# Altium PCB Copy of MFC-Card-Template.PcbDoc (part 2 of 2) (continued)
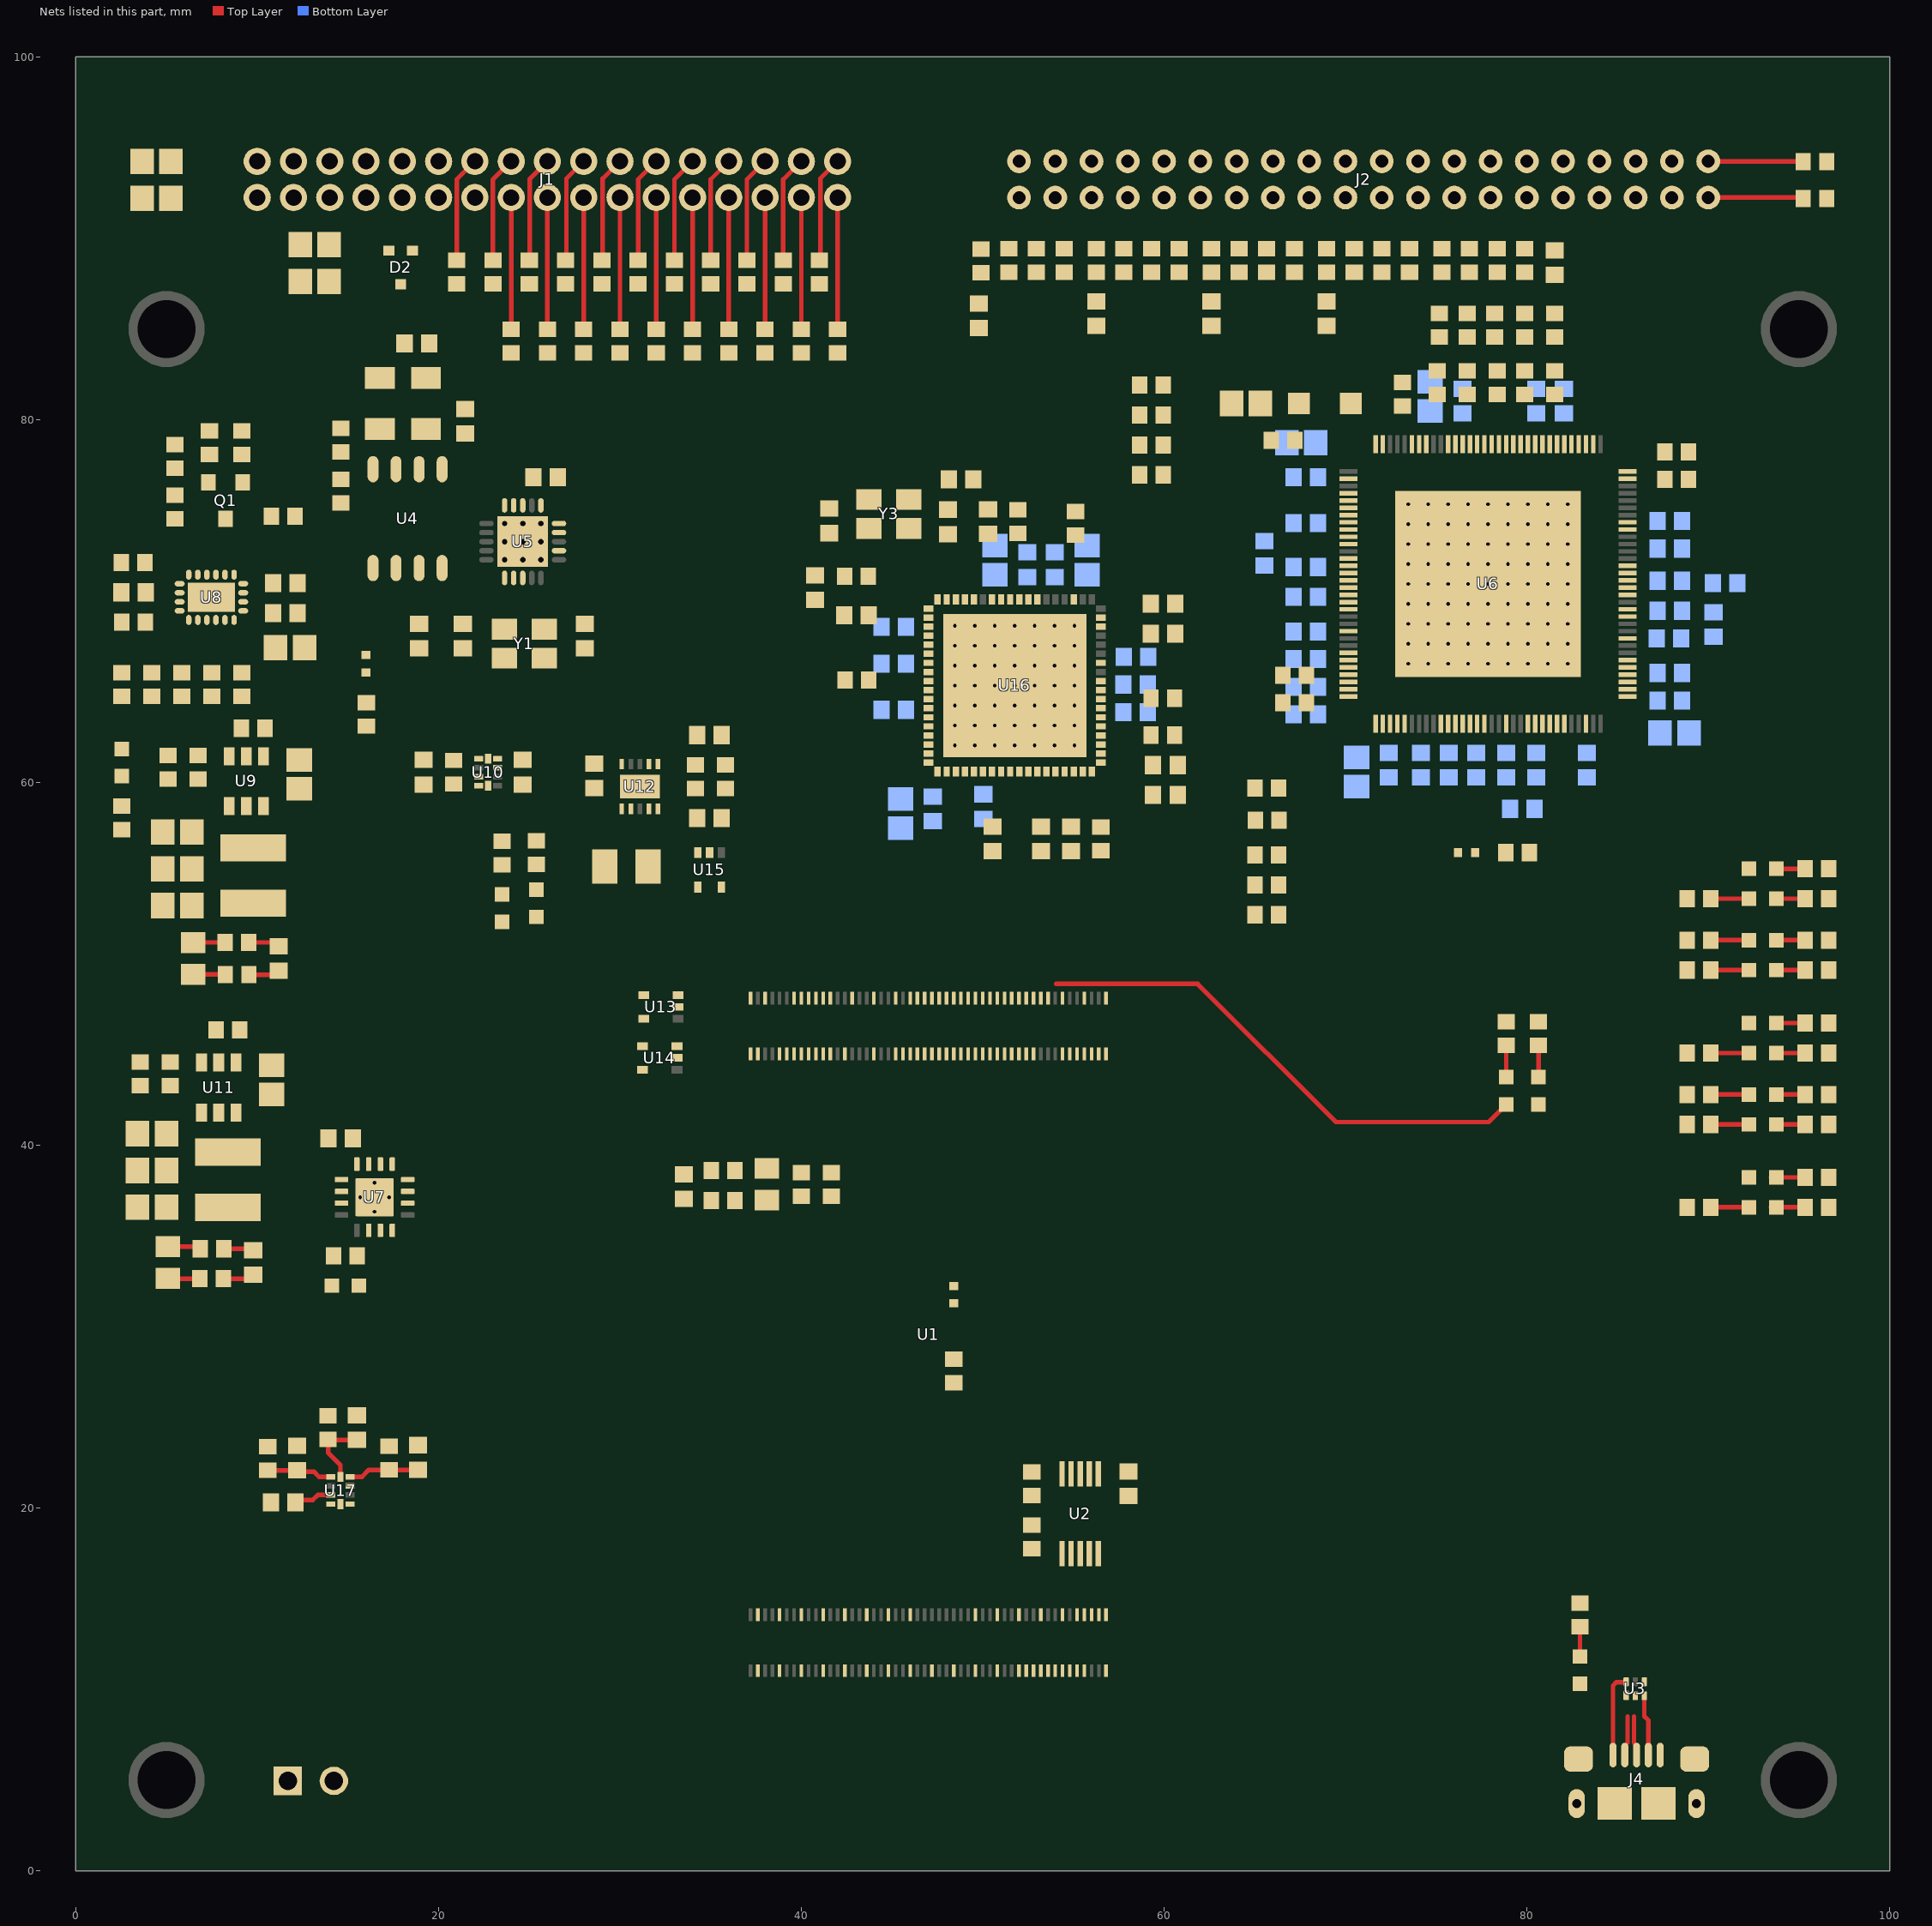
[diagram p4: the nets of this part, all layers, seen from the top]
## Part data (continued)
R136 R137 R138: library part RMCF0603FT10K0, "RES 10K OHM 1% 1/10W 0603", Device Package="0603 (1608 Metric)", Manufacturer="Stackpole Electronics Inc", Operating Temperature="-55°C ~ 155°C", Power (Watts)="0.1W, 1/10W", Ratings=AEC-Q200, Supplier Device Package=0603, Supplier Part Number 1=RMCF0603FT10K0CT-ND, Temperature Coefficient=±100ppm/°C, Tolerance=±1%, ComponentLink1Description=Datasheet, ComponentLink1URL=https://www.seielect.com/catalog/sei-rmcf_rmcp.pdf, ComponentLink2Description="DigiKey Link", ComponentLink2URL=http://digikey.com/product-detail/en/stackpole-electronics-inc/RMCF0603FT10K0/RMCF0603FT10K0CT-ND/1943057, Composition="Thick Film", Features="Automotive AEC-Q200", Height - Seated (Max)="0.022\" (0.55mm)", LastUpdated="9/2/2020 1:09:31 AM", Lifecycle Status=Active, Minimum Order=1, Number of Terminations=2, Package / Case="0603 (1608 Metric)", Packaging=CutTape, PartId=25663, Part Number=RMCF0603FT10K0, Part Status=Active, Price=0.10, Resistance="10 kOhms", Series=RMCF, Size / Dimension="0.061\" L x 0.031\" W (1.55mm x 0.80mm)", Supplier 1=DigiKey
R139 R140 R141: library part TMP6131DECR, "SENSOR PTC 10KOHM 1% X1SON", Device Package="0402 (1006 Metric)", Manufacturer="Texas Instruments", Operating Temperature="-40°C ~ 125°C (TA)", Resistance Tolerance=±1%, Supplier Device Package="2-X1SON (1x.60)", Supplier Part Number 1=296-TMP6131DECRCT-ND, ComponentLink1Description=Datasheet, ComponentLink1URL=http://www.ti.com/general/docs/suppproductinfo.tsp?distId=10&gotoUrl=http%3A%2F%2Fwww.ti.com%2Flit%2Fgpn%2Ftmp61, ComponentLink2Description="DigiKey Link", ComponentLink2URL=http://digikey.com/product-detail/en/texas-instruments/TMP6131DECR/296-TMP6131DECRCT-ND/10435285, LastUpdated="9/2/2020 1:30:57 AM", Lifecycle Status=Active, Minimum Order=1, Mounting Type="Surface Mount", Package / Case="0402 (1006 Metric)", Packaging=TapeAndReel, Part Number=TMP6131DECR, Part Status=Active, Price=0.07, Resistance @ 25°C="10 kOhms", Series=Commercial, Supplier 1=DigiKey
U2: library part CMP-07103-000004-1, "IC USB SWITCH DPDT 10MSOP", Case/Package=MSOP, Current=100mA, Max Operating Temperature=85°C, Max Supply Voltage=4.3V, Min Operating Temperature=-40°C, Min Supply Voltage=3V, On-State Resistance=6.5R, Package Quantity=1, Data Rate=480Mbps, Height=0.85mm, Lead Free="Lead Free", Length=3mm, Mount="Surface Mount", Number of Channels=2, Number of Inputs=2, Number of Outputs=4, Number of Pins=10, Operating Supply Voltage=4.3V, Packaging="Tape and Reel", Radiation Hardening=No, REACH SVHC="No SVHC", Supply Type=Single, Throw Configuration=DPDT, Voltage=4.3V, Weight=0.1125g, Width=3mm
U3: library part CMP-0326-00038-3, "USB ESD Solution with Power Clamp, 4 Channels, -40 to +85 degC, 6-pin SON (DRY), Green (RoHS & no Sb/Br)", Breakdown Voltage(Min)(V)=6, IO Capacitance(Typ)(pF)=0.8, IO Leakage Current(nA)=10, Manufacturer="Texas Instruments", ComponentLink1Description="Manufacturer URL", ComponentLink1URL=http://www.ti.com/, ComponentLink2Description=Datasheet, ComponentLink2URL=http://www.ti.com/general/docs/lit/getliterature.tsp?genericPartNumber=TPD4S012&fileType=pdf, ComponentLink3Description="URL Link1", ComponentLink3URL=SamplesURL:http://www.ti.com/product/tpd4s012#samples, DatasheetVersion=SLVS928A, Eco-Plan="Green (RoHS & no Sb/Br)", IEC 61000-4-2 Air-Gap(+/- kV)=10, IEC 61000-4-2 Contact(+/- kV)=10, Mounting Technology="Surface Mount", PackageDescription="6-Pin Plastic Small Outline No-Lead, 1 x 1.45 x 0.6 mm Body, 0.5 mm Pitch", PackageReference=DRY0006A, PackageVersion="revF, Dec-2011", PartNumber=TPD4S012DRYR, SubFamily="ESD Solution", USB High Speed=TRUE
U4: Supplier Part Number 1=296-44228-1-ND, Supplier 1=Digi-Key
U5: library part CMP-0186-00186-2, "IC CAN CTLR W/SPI 2.0B 20-QFN", Case/Package=QFN, Max Operating Temperature=85°C, Max Supply Current=10mA, Max Supply Voltage=5.5V, Min Operating Temperature=-40°C, Min Supply Voltage=2.7V, Package Quantity=3300, Contact Plating=Tin, Data Rate=1000Kbps, Interface=SPI, Lead Free="Lead Free", Mount="Surface Mount", Nominal Supply Current=10mA, Number of Pins=20, Number of Transceivers=1, Packaging="Tape and Reel", Radiation Hardening=No
U6: Supplier Part Number 1=KSZ9896CTXI-ND, Supplier 1=Digi-Key
U7: library part CMP-0704-00002-2, "Triple Channel Shunt and Bus Voltage Monitor, 120 dB, 2.7 to 5.5 V, -40 to 125 degC, 16-Pin VQFN (RGV), Green (RoHS & no Sb/Br), Tape and Reel", Manufacturer="Texas Instruments", Offset Voltage (max)="+/- 80 uV", Operating Supply Range="2.7 to 5.5 V", Quiescent Current (Typ)="350 uA", Rating=Catalog, Temperature Range="-40 to 125 degC", Voltage Input Range (Bus)="0 to 26 V", CMR (Typ)="120 dB", ComponentLink1Description="Manufacturer URL", ComponentLink1URL=http://www.ti.com/, ComponentLink2Description=Datasheet, ComponentLink2URL=http://www.ti.com/lit/ds/symlink/ina3221.pdf, ComponentLink3Description="Package Specification", ComponentLink3URL=http://www.ti.com/lit/ds/symlink/ina3221.pdf, DatasheetVersion=SBOS576A, Gain="1 V/V", Gain Error (max)=0.25%, Mounting Technology="Surface Mount", PackageDescription="16-Pin Quad Flat No-lead Package, Body 4 x 4 mm, Pitch 0.65 mm", PackageReference=RGV0016A, PackageVersion=SBOS576A, Packing="Tape and Reel", PartNumber=INA3221AIRGVT, RoHS=TRUE
U8: Supplier Part Number 1=296-40735-1-ND, Supplier 1=Digi-Key
U9 U11: Supplier Part Number 1=296-47088-1-ND, Supplier 1=Digi-Key
U10: Supplier Part Number 1=296-51660-1-ND, Supplier 1=Digi-Key
U12: library part CMP-10083-000009-1, "IC RTC CLK/CALENDAR I2C 10-SON", Ambient Temperature Range High=+85°C, Ambient Temperature Range Low=-40°C, Frequency=0.001/1.024/2.048/4.096/8.192/16.384/32.768kHz, Manufacturer="NXP Semiconductors", Max Supply Voltage=5.5V, Min Supply Voltage=0.9V, Nominal Supply Current=18uA, Package=SOT1197-1, Temperature="-40°C to +85°C", Automotive=No, Category=IC, ComponentLink2Description=Datasheet, ComponentLink2URL=https://www.nxp.com/docs/en/data-sheet/PCF85063A.pdf, Device Class L1="Integrated Circuits (ICs)", Device Class L2="Clock and Timing", Device Class L3="Real Time Clocks", Digikey Description="IC RTC CLK/CALENDAR I2C 10-SON", Footprint Url=https://www.nxp.com/docs/en/package-information/SOT1197-1.pdf, Height=0.5mm, Interface=I2C, Ipc Land Pattern Name=DFN260X260X50-10, Lead Free=Yes, Manufacturer Part Number=PCF85063ATL/1,118, Mouser Description="Tiny Real-Time Clock/calendar With Alarm Function And I2C-Bus Rohs Compliant: Yes", Number of Outputs=1, Octopart=https://octopart.com/pcf85063atl%2F1%2C118-nxp+semiconductors-27552710, RoHS=TRUE, Standoff Height=0mm, Temperature Range High=+85°C, Temperature Range Low=-40°C
U13 U14 U15: library part CMP-12739-000001-1, "IC BUF NON-INVERT 5.5V SOT353", Ambient Temperature Range High=+125°C, Ambient Temperature Range Low=-40°C, Manufacturer="Diodes Inc.", Max Junction Temp=+150°C, Max Supply Voltage=5.5V, Min Supply Voltage=1.65V, Nominal Supply Current=0.1uA, Package=SOT353, Temperature="-40°C to +125°C", Automotive=No, Category=IC, ComponentLink2Description=Datasheet, ComponentLink2URL=https://www.diodes.com/assets/Datasheets/74LVC1G07.pdf, Device Class L1="Integrated Circuits (ICs)", Device Class L2="Logic ICs", Device Class L3=Buffers, Digikey Description="IC BUF NON-INVERT 5.5V SOT353", Footprint Url=https://www.diodes.com/assets/Package-Files/SOT353.pdf, Height=1.1mm, Ipc Land Pattern Name=SOT65P210X100-5, Lead Free=Yes, Logic Function Desc=Non-Inverting, Manufacturer Part Number=74LVC1G07SE-7, Mouser Description="74LVC Series 5.5 V Surface Mount Single Buffer with Open Drain Output - SOT-353", Number Of Circuits=1, Number of Inputs=1, Number of Outputs=1, Octopart=https://octopart.com/74lvc1g07se-7-diodes+inc.-18882698, Propagation Delay=1.7ns, RoHS=TRUE, Standoff Height=0mm, Temperature Range High=+125°C, Temperature Range Low=-40°C
U16: Supplier Part Number 1=579-LAN7431/YXX, Supplier 1=Mouser
U17: Supplier Part Number 1=296-48346-1-ND, Supplier 1=Digi-Key
Y1: library part "TSX-3225 16.0000MF10U-B0", "CRYSTAL 16.00 MHZ 16.0PF SMD", ESR (Equivalent Series Resistance)="60 Ohms", Frequency Stability=±10ppm, Load Capacitance=16pF, Manufacturer=EPSON, Operating Mode=Fundamental, Operating Temperature="-10°C ~ 60°C", Package / Case="4-SMD, No Lead", Supplier Part Number 1=SER4370CT-ND, ComponentLink1Description=Datasheet, ComponentLink1URL=https://support.epson.biz/td/api/doc_check.php?dl=brief_TSX-3225&lang=en, ComponentLink2Description="DigiKey Link", ComponentLink2URL=http://digikey.com/product-detail/en/epson/TSX-3225-16.0000MF10U-B0/SER4370CT-ND/7932354, Frequency=16MHz, Frequency Tolerance=±10ppm, Height - Seated (Max)="0.024\" (0.60mm)", LastUpdated="9/2/2020 1:21:55 AM", Lifecycle Status=Active, Minimum Order=1, Mounting Type="Surface Mount", Packaging=TapeAndReel, PartId=436, Part Number="TSX-3225 16.0000MF10U-B0", Part Status=Active, Price=0.18, Series=TSX-3225, Size / Dimension="0.126\" L x 0.098\" W (3.20mm x 2.50mm)", Supplier 1=DigiKey, Type="MHz Crystal"
Y2: library part ABS07-166-32.768KHZ-T, "IOT 32.786KHZ XTAL", ESR (Equivalent Series Resistance)="70 kOhms", Frequency Tolerance=±10ppm, Load Capacitance=7pF, Manufacturer="Abracon LLC", Operating Mode=Fundamental, Operating Temperature="-40°C ~ 85°C", Package / Case="2-SMD, No Lead", Supplier Part Number 1=535-14514-1-ND, ComponentLink1Description=Datasheet, ComponentLink1URL=https://abracon.com/datasheets/ABS07-166-32.768kHz-T.pdf, ComponentLink2Description="DigiKey Link", ComponentLink2URL=http://digikey.com/product-detail/en/abracon-llc/ABS07-166-32.768KHZ-T/535-14514-1-ND/8827205, Frequency=32.768kHz, Height - Seated (Max)="0.035\" (0.90mm)", LastUpdated="9/2/2020 1:21:47 AM", Lifecycle Status=Active, Minimum Order=1, Mounting Type="Surface Mount", Packaging=TapeAndReel, PartId=384, Part Number=ABS07-166-32.768KHZ-T, Part Status=Active, Price=0.35, Series=ABS07, Size / Dimension="0.126\" L x 0.059\" W (3.20mm x 1.50mm)", Supplier 1=DigiKey, Type="kHz Crystal (Tuning Fork)"
Y3: library part "TSX-3225 25.0000MF20P-C0", "CRYSTAL 25.0000MHZ 18PF SMD", ESR (Equivalent Series Resistance)="40 Ohms", Frequency Stability=±20ppm, Frequency Tolerance=±10ppm, Load Capacitance=18pF, Manufacturer=EPSON, Operating Mode=Fundamental, Operating Temperature="-20°C ~ 85°C", Package / Case="4-SMD, No Lead", Supplier Part Number 1=SER4212CT-ND, ComponentLink1Description=Datasheet, ComponentLink1URL=https://support.epson.biz/td/api/doc_check.php?dl=brief_TSX-3225&lang=en, ComponentLink2Description="DigiKey Link", ComponentLink2URL=http://digikey.com/product-detail/en/epson/TSX-3225-25.0000MF20P-C0/SER4212CT-ND/7430967, Frequency=25MHz, Height - Seated (Max)="0.024\" (0.60mm)", LastUpdated="9/2/2020 1:21:54 AM", Lifecycle Status=Active, Minimum Order=1, Mounting Type="Surface Mount", Packaging=TapeAndReel, PartId=447, Part Number="TSX-3225 25.0000MF20P-C0", Part Status=Active, Price=0.18, Series=TSX-3225, Size / Dimension="0.126\" L x 0.098\" W (3.20mm x 2.50mm)", Supplier 1=DigiKey, Type="MHz Crystal"

## Free pads (board coordinates)
  round 4.2 hole 3.2: 11(5,5) 11(5,85) 11(95,5) 11(95,85)

## Via types
v1: diameter 0.5, hole 0.2, Top Layer to Bottom Layer, 134 vias
v2: diameter 0.6, hole 0.3, Top Layer to Bottom Layer, 9 vias
v3: diameter 6.2, hole 4.22, Top Layer to Bottom Layer, 4 vias

## Nets (pads, with @x,y where several pads share a name; then routed paths per layer and width w, separated by ;. In a path a pad name is that pad's centre, name@x,y a point inside that pad or via, vN(x,y) a via of type N, cw(c..) or ccw(c..) an arc to the next point about the centre after c; other vN are vias at no path point)
+1.2: C23.2 C24.2 C25.2 C26.2 C27.2 C28.2 C29.2 C30.2 C31.2 C32.2 C41.2 C42.2 C43.2 C44.2 C45.2 C46.2 C47.2 C48.2 C49.2 C50.2 C80.2 C81.2 C82.2 C84.2 C86.2 C87.2 C88.2 C101.2 R115.2 R119.2 U6.3 U6.11 U6.14 U6.19 U6.23 U6.30 U6.36 U6.41 U6.45 U6.48 U6.56 U6.71 U6.84 U6.104 U6.110 U6.114 U6.119 U6.124 U16.2 U16.24 U16.25 U16.31 U16.46 U16.62 U16.69 | length 1.8
  Top Layer w0.254: R115.2@5.08,32.653 5.094,32.639 R119.2@6.843,32.639
+2.5: C5.2 C6.2 C7.2 C8.2 C9.2 C33.2 C34.2 C35.2 C36.2 C37.2 C38.2 C39.2 C40.2 C83.2 C85.2 C94.2 C95.2 R22.2 R23.2 R24.2 R25.2 R26.2 R27.2 R28.2 R29.2 R30.2 R31.2 R32.2 R33.2 R34.2 R35.2 R36.2 R37.2 R38.2 R39.2 R40.2 R41.2 R108.2 R113.2 U6.10 U6.22 U6.33 U6.44 U6.111 U6.122 U6.128 U16.1 U16.34 U16.38 U16.39 | length 1.8
  Top Layer w0.254: R108.2@6.477,49.417 8.226,49.417 R113.2@8.24,49.403
+3.3: C10.2 C11.2 C12.2 C16.2 C18.2 C19.2 C20.2 C21.2 C22.2 C52.2 C59.2 C70.2 C73.2 C74.2 C75.2 C76.2 C77.2 C78.2 C79.2 C91.2 C92.2 C93.2 C96.2 C100.2 D9.2 R51.2 R52.2 R53.2 R54.2 R55.2 R56.2 R57.2 R58.2 R59.2 R60.2 R61.2 R67.2 R68.2 R80.1 R81.1 R82.1 R86.1 R87.1 R88.1 R90.1 R93.2 R99.2 R121.2 R122.2 R123.1 R124.1 R125.2 R126.2 R129.2 R130.1 R131.2 R132.2 R135.2 U2.1 U4.5 U5.18 U6.49 U6.57 U6.74 U6.98 U7.4 U7.16 U10.1 U10.8 U12.10 U13.5 U14.5 U16.3 U16.7 U16.12 U16.19 U16.43 U16.48 U16.52 U16.53 U16.61 U16.65 U17.8 | length 2.1
  Top Layer w0.254: C96.2@12.103,20.308 12.233,20.439 13.06,20.439 13.337,20.716 U17.8@14.063,20.716
+5: C13.2 C54.2 C55.2 C60.2 C65.2 C71.1 R95.2 R96.2 R97.2 R110.2 R116.2 R127.2 R128.2 R145.1 U1.77 U1.79 U1.81 U1.83 U1.85 U1.87 U4.3 U8.4 U8.5 U8.6 U8.7 U8.8 U9.1 U9.4 U11.1 U11.4 U15.5
+5_Supply: C3.2 C4.2 C53.2 J1.5 J1.6 R94.2 U8.9 U8.10 U8.11 U8.12 U8.13
+12_Supply: C1.2 C2.2 J1.1 J1.2
ETH1_RX_N: J2.34 U1.6
ETH1_RX_P: J2.33 U1.4
ETH1_TX_N: J2.32 U1.10
ETH1_TX_P: J2.31 U1.12
ETH2_RX_N: J2.4 R25.1 U6.5
ETH2_RX_P: J2.3 R24.1 U6.4
ETH2_TX_N: J2.2 R23.1 U6.2
ETH2_TX_P: J2.1 R22.1 U6.1
ETH3_RX_N: J2.10 R29.1 U6.16
ETH3_RX_P: J2.9 R28.1 U6.15
ETH3_TX_N: J2.8 R27.1 U6.13
ETH3_TX_P: J2.7 R26.1 U6.12
ETH4_RX_N: J2.16 R33.1 U6.27
ETH4_RX_P: J2.15 R32.1 U6.26
ETH4_TX_N: J2.14 R31.1 U6.25
ETH4_TX_P: J2.13 R30.1 U6.24
ETH5_RX_N: J2.22 R37.1 U6.38
ETH5_RX_P: J2.21 R36.1 U6.37
ETH5_TX_N: J2.20 R35.1 U6.35
ETH5_TX_P: J2.19 R34.1 U6.34
ETH6_RX_N: J2.28 R41.1 U6.116 | length 0.1
  Bottom Layer w0.17: J2.28@77.935,94.185 J2.28@78,94.25
ETH6_RX_P: J2.27 R40.1 U6.115
ETH6_TX_N: J2.26 R39.1 U6.113 | length 0.1
  Bottom Layer w0.17: J2.26@75.935,94.185 J2.26@76,94.25
ETH6_TX_P: J2.25 R38.1 U6.112
GND: C1.1 C2.1 C3.1 C4.1 C5.1 C6.1 C7.1 C8.1 C9.1 C10.1 C11.1 C12.1 C13.1 C14.2 C15.1 C16.1 C17.1 C18.1 C19.1 C20.1 C21.1 C22.1 C23.1 C24.1 C25.1 C26.1 C27.1 C28.1 C29.1 C30.1 C31.1 C32.1 C33.1 C34.1 C35.1 C36.1 C37.1 C38.1 C39.1 C40.1 C41.1 C42.1 C43.1 C44.1 C45.1 C46.1 C47.1 C48.1 C49.1 C50.1 C51.1 C52.1 C53.1 C54.1 C55.1 C57.1 C58.1 C59.1 C60.1 C61.1 C62.1 C63.1 C65.1 C66.1 C67.1 C68.1 C70.1 C71.2 C73.1 C74.1 C75.1 C76.1 C77.1 C78.1 C79.1 C80.1 C81.1 C82.1 C83.1 C84.1 C85.1 C86.1 C87.1 C88.1 C89.2 C90.2 C91.1 C92.1 C93.1 C94.1 C95.1 C96.1 C97.1 C98.1 C99.1 C100.1 C101.1 D1.2 D2.3 D19.2 J1.3 J1.4 J1.7 J1.8 J1.11 J1.12 J2.5 J2.6 J2.11 J2.12 J2.17 J2.18 J2.23 J2.24 J2.29 J2.30 J2.35 J2.36 J3.2 J4.5 J4.S Q1.2 R1.2 R2.1 R3.1 R4.1 R5.1 R6.1 R7.1 R8.1 R9.1 R10.1 R11.1 R12.1 R13.1 R14.1 R15.1 R16.1 R17.1 R18.1 R19.1 R20.1 R21.1 R42.2 R43.2 R45.1 R50.1 R66.1 R83.1 R84.1 R85.1 R89.1 R91.1 R92.1 R101.1 R102.1 R103.1 R104.1 R105.1 R107.1 R114.1 R120.1 R133.1 R134.1 R139.1 R140.1 R141.1 U1.1 U1.2 U1.7 U1.8 U1.13 U1.14 U1.22 U1.23 U1.32 U1.33 U1.42 U1.43 U1.52 U1.53 U1.59 U1.60 U1.65 U1.66 U1.71 U1.74 U1.98 U1.107 U1.108 U1.113 U1.114 U1.119 U1.120 U1.125 U1.126 U1.131 U1.132 U1.137 U1.138 U1.144 U1.150 U1.155 U1.156 U1.161 U1.162 U1.167 U1.168 U1.173 U1.174 U1.179 U1.180 U1.185 U1.186 U1.191 U1.192 U1.197 U1.198 U2.5 U2.10 U3.4 U4.2 U5.8 U5.21 U6.47 U6.50 U6.51 U6.81 U6.101 U6.107 U6.109 U6.123 U6.129 U7.3 U7.5 U7.17@16.469,37.131 U8.16 U8.21 U9.2 U10.3 U10.5 U11.2 U12.5 U12.11 U13.3 U14.3 U15.3 U16.26 U16.29 U16.33 U16.45 U16.73 U17.1 U17.3 Y1.2 Y1.4 Y3.2 Y3.4
  other v1: 16.469,36.331 15.669,37.131 17.269,37.131 16.469,37.931 48.465,62.045 49.565,62.045 50.665,62.045 51.765,62.045 52.865,62.045 53.965,62.045 55.065,62.045 48.465,63.145 49.565,63.145 50.665,63.145 51.765,63.145 52.865,63.145 53.965,63.145 55.065,63.145 48.465,64.245 49.565,64.245 50.665,64.245 51.765,64.245 52.865,64.245 53.965,64.245 55.065,64.245 48.465,65.345 49.565,65.345 50.665,65.345 51.765,65.345 52.865,65.345 53.965,65.345 55.065,65.345 48.465,66.445 49.565,66.445 50.665,66.445 51.765,66.445 52.865,66.445 53.965,66.445 55.065,66.445 73.461,66.546 74.561,66.546 75.661,66.546 76.761,66.546 77.861,66.546 78.961,66.546 80.061,66.546 81.161,66.546 82.261,66.546 48.465,67.545 49.565,67.545 50.665,67.545 51.765,67.545 52.865,67.545 53.965,67.545 55.065,67.545 73.461,67.646 74.561,67.646 75.661,67.646 76.761,67.646 77.861,67.646 78.961,67.646 80.061,67.646 81.161,67.646 82.261,67.646 48.465,68.645 49.565,68.645 50.665,68.645 51.765,68.645 52.865,68.645 53.965,68.645 55.065,68.645 73.461,68.746 74.561,68.746 75.661,68.746 76.761,68.746 77.861,68.746 78.961,68.746 80.061,68.746 81.161,68.746 82.261,68.746 73.461,69.846 74.561,69.846 75.661,69.846 76.761,69.846 77.861,69.846 78.961,69.846 80.061,69.846 81.161,69.846 82.261,69.846 73.461,70.946 74.561,70.946 75.661,70.946 76.761,70.946 77.861,70.946 78.961,70.946 80.061,70.946 81.161,70.946 82.261,70.946 73.461,72.046 74.561,72.046 75.661,72.046 76.761,72.046 77.861,72.046 78.961,72.046 80.061,72.046 81.161,72.046 82.261,72.046 73.461,73.146 74.561,73.146 75.661,73.146 76.761,73.146 77.861,73.146 78.961,73.146 80.061,73.146 81.161,73.146 82.261,73.146 73.461,74.246 74.561,74.246 75.661,74.246 76.761,74.246 77.861,74.246 78.961,74.246 80.061,74.246 81.161,74.246 82.261,74.246 73.461,75.346 74.561,75.346 75.661,75.346 76.761,75.346 77.861,75.346 78.961,75.346 80.061,75.346 81.161,75.346 82.261,75.346
  other v2: 23.638,72.279 24.638,72.279 25.638,72.279 23.638,73.279 24.638,73.279 25.638,73.279 23.638,74.279 24.638,74.279 25.638,74.279
NetC14_1: C14.1 R47.1 R49.2
NetC15_2: C15.2 U5.7 Y1.3
NetC17_2: C17.2 U5.6 Y1.1
NetC51_2: C51.2 D9.1 R61.1 U6.96 U16.42
NetC56_1: C56.1 R99.1 U7.1
NetC56_2: C56.2 R98.1 U7.2
NetC57_2: C57.2 U8.18
NetC58_2: C58.2 R109.2 U10.4
NetC61_2: C61.2 C62.2 C63.2 L1.2 R108.1 R111.2 R112.2 | length 1.8
  Top Layer w0.254: R108.1@6.477,51.167 6.491,51.181 R112.2@8.225,51.181
NetC64_1: C64.1 R113.1 U7.11 | length 1.7
  Top Layer w0.254: R113.1@9.54,49.403 10.962,49.403 C64.1@11.176,49.617
NetC64_2: C64.2 R112.1 U7.12 | length 1.7
  Top Layer w0.254: R112.1@9.525,51.181 10.962,51.181 C64.2@11.176,50.967
NetC66_2: C66.2 C67.2 C68.2 L2.2 R115.1 R117.2 R118.2 | length 1.8
  Top Layer w0.254: R115.1@5.08,34.403 6.745,34.403 R118.2@6.858,34.29
NetC69_1: C69.1 R119.1 U7.14 | length 1.7
  Top Layer w0.254: R119.1@8.143,32.639 9.565,32.639 C69.1@9.779,32.853
NetC69_2: C69.2 R118.1 U7.15 | length 1.7
  Top Layer w0.254: R118.1@8.158,34.29 9.692,34.29 C69.2@9.779,34.203
NetC72_1: C72.1 R128.1 U15.2
NetC72_2: C72.2 R127.1 U12.4
NetC89_1: C89.1 U16.70 Y3.3
NetC90_1: C90.1 U16.71 Y3.1
NetC97_2: C97.2 R142.2 U17.4 | length 3.9
  Top Layer w0.254: U17.4@15.113,21.716 15.774,21.716 16.156,22.098 R142.2@17.272,22.098 18.855,22.098 C97.2@18.872,22.115
NetC98_2: C98.2 R143.2 U17.5 | length 3.9
  Top Layer w0.254: U17.5@14.588,21.716 14.588,22.372 13.909,23.051 R143.2@13.909,23.772 13.932,23.749 C98.2@15.494,23.749
NetC99_2: C99.2 R144.2 U17.6 | length 3.6
  Top Layer w0.254: R144.2@10.579,22.074 10.58,22.073 C99.2@12.192,22.073 12.259,22.006 13.125,22.006 13.415,21.716 U17.6@14.063,21.716
NetD1_1: D1.1 R46.1 | length 1.6
  Top Layer w0.254: D1.1@82.931,11.811 R46.1@82.931,13.455
NetD2_1: D2.1 J1.10 R49.1 U4.6
NetD2_2: D2.2 J1.9 R47.2 U4.7
NetD3_1: D3.1 R51.1 | length 1.6
  Top Layer w0.254: D3.1@93.75,55.245 R51.1@95.35,55.245
NetD3_2: D3.2 U6.105
NetD4_1: D4.1 R52.1 | length 1.6
  Top Layer w0.254: D4.1@93.75,53.594 R52.1@95.35,53.594
NetD4_2: D4.2 R80.2 U6.106 | length 2.1
  Top Layer w0.254: R80.2@90.15,53.594 D4.2@92.25,53.594
NetD5_1: D5.1 R53.1 | length 1.6
  Top Layer w0.254: D5.1@93.75,51.308 R53.1@95.35,51.308
NetD5_2: D5.2 R83.2 U6.89 | length 2.1
  Top Layer w0.254: R83.2@90.15,51.308 D5.2@92.25,51.308
NetD6_1: D6.1 R54.1 | length 1.6
  Top Layer w0.254: D6.1@93.75,49.657 R54.1@95.35,49.657
NetD6_2: D6.2 R81.2 U6.90 | length 2.1
  Top Layer w0.254: R81.2@90.15,49.657 D6.2@92.25,49.657
NetD7_1: D7.1 R55.1 | length 1.6
  Top Layer w0.254: D7.1@93.714,46.736 R55.1@95.362,46.736
NetD7_2: D7.2 U6.85
NetD8_1: D8.1 R56.1 | length 1.7
  Top Layer w0.254: D8.1@93.702,45.085 R56.1@95.362,45.085
NetD8_2: D8.2 R85.2 U6.86 | length 2.3
  Top Layer w0.254: R85.2@89.931,45.085 D8.2@92.202,45.085
NetD10_1: D10.1 R59.1 | length 1.6
  Top Layer w0.254: D10.1@93.587,42.799 R59.1@95.22,42.799
NetD10_2: D10.2 R82.2 U6.82 | length 2.2
  Top Layer w0.254: R82.2@89.931,42.799 D10.2@92.087,42.799
NetD11_1: D11.1 R60.1 | length 1.6
  Top Layer w0.254: D11.1@93.587,41.148 R60.1@95.235,41.148
NetD11_2: D11.2 R84.2 U6.83 | length 2.2
  Top Layer w0.254: R84.2@89.931,41.148 D11.2@92.087,41.148
NetD12_1: D12.1 R67.1 | length 1.6
  Top Layer w0.254: D12.1@93.46,38.227 R67.1@95.108,38.227
NetD12_2: D12.2 U6.102
NetD13_1: D13.1 R68.1 | length 1.6
  Top Layer w0.254: D13.1@93.46,36.576 R68.1@95.108,36.576
NetD13_2: D13.2 R86.2 U6.103 | length 2
  Top Layer w0.254: R86.2@89.931,36.576 D13.2@91.96,36.576
NetD14_1: D14.1 R123.2
NetD14_2: D14.2 U1.21
NetD15_1: D15.1 U13.4
NetD15_2: D15.2 R124.2
NetD16_1: D16.1 U1.19
NetD16_2: D16.2 R125.1 | length 1.7
  Top Layer w0.254: D16.2@80.645,43.754 R125.1@80.645,45.504
NetD17_1: D17.1 U1.17 | length 28.4
  Top Layer w0.254: 54.047,48.895 61.849,48.895 69.469,41.275 77.888,41.275 D17.1@78.867,42.254
NetD17_2: D17.2 R126.1 | length 1.7
  Top Layer w0.254: D17.2@78.867,43.754 R126.1@78.867,45.504
NetD18_1: D18.1 R145.2
NetD18_2: D18.2 R96.1 U8.3
NetD19_1: D19.1 R146.1
NetJ1_13: J1.13 U1.58
NetJ1_14: J1.14 R2.2 U1.56 | length 5.9
  Top Layer w0.254: R2.2@21,88.788 21,93.25 J1.14@22,94.25
NetJ1_15: J1.15 R3.2 U1.54 | length 7.3
  Top Layer w0.254: J1.15@24,92.25 24,84.981 R3.2@24.003,84.978
NetJ1_16: J1.16 R4.2 U1.34 | length 5.9
  Top Layer w0.254: R4.2@22.987,88.788 22.987,93.237 J1.16@24,94.25
NetJ1_17: J1.17 R5.2 U1.30 | length 7.3
  Top Layer w0.254: J1.17@26,92.25 26,85.013 R5.2@26.035,84.978
NetJ1_18: J1.18 R6.2 U1.37 | length 5.9
  Top Layer w0.254: R6.2@25.019,88.788 25.019,93.269 J1.18@26,94.25
NetJ1_19: J1.19 R7.2 U1.31 | length 7.3
  Top Layer w0.254: J1.19@28,92.25 28,85.045 R7.2@28.067,84.978
NetJ1_20: J1.20 R8.2 U1.28 | length 5.9
  Top Layer w0.254: R8.2@27.051,88.788 27.047,88.792 27.047,93.297 J1.20@28,94.25
NetJ1_21: J1.21 R9.2 U1.55 | length 7.3
  Top Layer w0.254: R9.2@29.972,84.978 30,85.006 J1.21@30,92.25
NetJ1_22: J1.22 R10.2 U1.51 | length 5.9
  Top Layer w0.254: R10.2@28.956,88.788 29.047,88.879 29.047,93.297 J1.22@30,94.25
NetJ1_23: J1.23 R11.2 U1.29 | length 7.3
  Top Layer w0.254: R11.2@32,84.978 J1.23@32,92.25
NetJ1_24: J1.24 R12.2 U1.50 | length 5.9
  Top Layer w0.254: R12.2@31,88.788 31,93.25 J1.24@32,94.25
NetJ1_25: J1.25 R13.2 U1.49 | length 7.3
  Top Layer w0.254: R13.2@34,84.978 J1.25@34,92.25
NetJ1_26: J1.26 R14.2 U1.26 | length 5.9
  Top Layer w0.254: R14.2@33,88.788 33,93.25 J1.26@34,94.25
NetJ1_27: J1.27 R15.2 U1.27 | length 7.3
  Top Layer w0.254: R15.2@36,84.978 J1.27@36,92.25
NetJ1_28: J1.28 R16.2 U1.25 | length 5.9
  Top Layer w0.254: R16.2@35,88.788 35,93.25 J1.28@36,94.25
NetJ1_29: J1.29 R17.2 U1.46 | length 7.3
  Top Layer w0.254: R17.2@38,84.978 J1.29@38,92.25
NetJ1_30: J1.30 R18.2 U1.47 | length 5.9
  Top Layer w0.254: R18.2@37,88.788 37,93.25 J1.30@38,94.25
NetJ1_31: J1.31 R19.2 U1.45 | length 7.3
  Top Layer w0.254: R19.2@40,84.978 J1.31@40,92.25
NetJ1_32: J1.32 R20.2 U1.41 | length 5.9
  Top Layer w0.254: R20.2@39,88.788 39,93.25 J1.32@40,94.25
NetJ1_33: J1.33 R21.2 U1.24 | length 7.3
  Top Layer w0.254: R21.2@42,84.978 J1.33@42,92.25
NetJ1_34: J1.34 R1.1 | length 5.9
  Top Layer w0.254: R1.1@41,88.788 41.047,88.835 41.047,93.297 J1.34@42,94.25
NetJ2_39: J2.39 R42.1 | length 5.3
  Top Layer w0.254: J2.39@90,92.25 95.187,92.25 R42.1@95.235,92.202
NetJ2_40: J2.40 R43.1 | length 5.2
  Top Layer w0.254: J2.40@90,94.25 95.219,94.25 R43.1@95.235,94.234
NetJ3_1: J3.1 U1.92
NetJ4_1: J4.1 R44.2 R46.2 U3.6 | length 4.7
  Top Layer w0.254: J4.1@84.751,6.379 84.751,10.202 84.948,10.399 85.46,10.399 U3.6@85.479,10.418 U3.6@85.479,10.323
NetJ4_4: J4.4 U3.3 | length 3.4
  Top Layer w0.254: U3.3@86.479,9.648 86.479,8.517 86.701,8.295 J4.4@86.701,6.379
NetL1_1: L1.1 U9.3
NetL2_1: L2.1 U11.3
NetQ1_1: Q1.1 R106.1
NetQ1_3: Q1.3 R94.1 R100.2 U8.14
NetR44_1: R44.1 R45.2 U1.101 U2.2
NetR48_1: R48.1 R50.2 U4.8
NetR48_2: R48.2 U1.35
NetR57_1: R57.1 U6.126 U16.41
NetR58_1: R58.1 U6.127
NetR62_1: R62.1 U16.8
NetR62_2: R62.2 U6.70
NetR63_1: R63.1 U16.6
NetR63_2: R63.2 U6.69
NetR64_1: R64.1 U16.5
NetR64_2: R64.2 U6.68
NetR65_1: R65.1 U16.4
NetR65_2: R65.2 U6.67
NetR66_2: R66.2 U6.91
NetR69_1: R69.1 R90.2 U16.15
NetR69_2: R69.2 U6.80
NetR70_1: R70.1 R89.2 U16.16
NetR70_2: R70.2 U6.79
NetR71_1: R71.1 R88.2 U16.17
NetR71_2: R71.2 U6.78
NetR72_1: R72.1 R87.2 U16.18
NetR72_2: R72.2 U6.77
NetR73_1: R73.1 U16.22
NetR73_2: R73.2 U6.66
NetR74_1: R74.1 U16.23
NetR74_2: R74.2 U6.76
NetR75_1: R75.1 U16.11
NetR75_2: R75.2 U6.63
NetR76_1: R76.1 U16.10
NetR76_2: R76.2 U6.64
NetR77_1: R77.1 R92.2 U16.20
NetR77_2: R77.2 U6.75
NetR78_1: R78.1 R91.2 U16.14
NetR78_2: R78.2 U6.73
NetR79_1: R79.1 U16.13
NetR79_2: R79.2 U6.72
NetR95_1: R95.1 U1.36 U8.2
NetR97_1: R97.1 R101.2 U8.20
NetR100_1: R100.1 R105.2 U8.15
NetR102_2: R102.2 U8.17
NetR103_2: R103.2 R109.1 U8.19
NetR104_2: R104.2 U8.1
NetR106_2: R106.2 R107.2 U1.48
NetR110_1: R110.1 U9.5
NetR111_1: R111.1 R114.2 U9.6
NetR116_1: R116.1 U11.5
NetR117_1: R117.1 R120.2 U11.6
NetR121_1: R121.1 U1.82 U7.7 U10.9 U12.6 U17.9
NetR122_1: R122.1 U1.80 U7.6 U10.10 U12.7 U17.10
NetR129_1: R129.1 U16.9
NetR130_2: R130.2 U16.40
NetR131_1: R131.1 U6.125 U16.63
NetR132_1: R132.1 U16.57
NetR133_2: R133.2 U16.35
NetR134_2: R134.2 U16.72
NetR135_1: R135.1 U14.4 U16.44
NetR136_1: R136.1 R139.2 R142.1
NetR137_1: R137.1 R140.2 R143.1
NetR138_1: R138.1 R141.2 R144.1
NetR146_2: R146.2 U7.10
NetU1_38: U1.38 U5.12
NetU1_39: U1.39 U5.16
NetU1_40: U1.40 U5.15
NetU1_44: U1.44 U5.14
NetU1_95: U1.95 U13.2
NetU1_99: U1.99 U15.4
NetU1_100: U1.100 U14.2
NetU1_102: U1.102 U16.66
NetU1_103: U1.103 U2.4
NetU1_105: U1.105 U2.3
NetU1_109: U1.109 U16.68
NetU1_110: U1.110 U16.36
NetU1_112: U1.112 U16.37
NetU1_116: U1.116 U16.30
NetU1_118: U1.118 U16.32
NetU1_122: U1.122 U16.27
NetU1_124: U1.124 U16.28
NetU4_1: U4.1 U5.19
NetU4_4: U4.4 U5.20
NetU6_95: U6.95 U16.21
NetU6_100: U6.100 U16.64
NetU12_1: U12.1 Y2.2
NetU12_2: U12.2 Y2.1
Pi4CM_1.8V: U1.88 U1.90
Pi4CM_3P3V: R93.1 R98.2 U1.78 U1.84 U1.86
SYS_ADC_1.8V: R136.2 R137.2 R138.2
USB1_D_N: J2.37 U2.9
USB1_D_P: J2.38 U2.7
USB2_D_N: J4.2 U2.8 U3.1 | length 2.2
  Top Layer w0.237: J4.2@85.401,6.379 85.401,6.898 85.544,7.041 85.544,8.509
USB2_D_P: J4.3 U2.6 U3.2 | length 2.2
  Top Layer w0.237: 85.908,8.509 85.908,7.041 86.051,6.898 J4.3@86.051,6.379
pads on no net: U1.3 U1.5 U1.9 U1.11 U1.15 U1.16 U1.18 U1.20 U1.57 U1.61 U1.62 U1.63 U1.64 U1.67 U1.68 U1.69 U1.70 U1.72 U1.73 U1.75 U1.76 U1.89 U1.91 U1.93 U1.94 U1.96 U1.97 U1.104 U1.106 U1.111 U1.115 U1.117 U1.121 U1.123 U1.127 U1.128 U1.129 U1.130 U1.133 U1.134 U1.135 U1.136 U1.139 U1.140 U1.141 U1.142 U1.143 U1.145 U1.146 U1.147 U1.148 U1.149 U1.151 U1.152 U1.153 U1.154 U1.157 U1.158 U1.159 U1.160 U1.163 U1.164 U1.165 U1.166 U1.169 U1.170 U1.171 U1.172 U1.175 U1.176 U1.177 U1.178 U1.181 U1.182 U1.183 U1.184 U1.187 U1.188 U1.189 U1.190 U1.193 U1.194 U1.195 U1.196 U1.199 U1.200 U3.5 U5.1 U5.2 U5.3 U5.4 U5.5 U5.9 U5.10 U5.11 U5.13 U5.17 U6.6 U6.7 U6.8 U6.9 U6.17 U6.18 U6.20 U6.21 U6.28 U6.29 U6.31 U6.32 U6.39 U6.40 U6.42 U6.43 U6.46 U6.52 U6.53 U6.54 U6.55 U6.58 U6.59 U6.60 U6.61 U6.62 U6.65 U6.87 U6.88 U6.92 U6.93 U6.94 U6.97 U6.99 U6.108 U6.117 U6.118 U6.120 U6.121 U7.8 U7.9 U7.13 U7.17@15.899,36.561 U7.17@15.899,37.701 U7.17@17.039,36.561 U7.17@17.039,37.701 U10.2 U10.6 U10.7 U12.3 U12.8 U12.9 U13.1 U14.1 U15.1 U16.47 U16.49 U16.50 U16.51 U16.54 U16.55 U16.56 U16.58 U16.59 U16.60 U16.67 U17.2 U17.7
copper on no net:
  other v3: 25.5,13.071 73.5,13.071 25.5,46.071 73.5,46.071

## Polygon pours and split planes (outlines as drawn)
no net on Int1 (GND) (split plane): 99.49,0.51 0.51,0.51 0.51,99.49 99.49,99.49
no net on Int2 (PWR) (split plane): 99.49,0.51 0.51,0.51 0.51,99.49 99.49,99.49

## Silkscreen, mask and mechanical layers (free items; w line width, h text height)
Top Overlay:
  circle w0.15: c5,5 r3
  circle w0.15: c95,5 r3
  circle w0.15: c95,85 r3
  circle w0.15: c5,85 r3
  text "BRICKWORKS 2021 / REV 1A 04/26/2021 / MATTHEW GLAZER" at 39.243,1.651 h1.52
Mechanical 1:
  the board outline again, w0.254

## Text inside footprints (layer, text, board x,y; h text height)
J1: Top Overlay "34" at 44.671,93.996 h0.51; Top Overlay "33" at 44.671,91.964 h0.51; Top Overlay "2" at 7.079,93.996 h0.51; Top Overlay "1" at 7.206,91.837 h0.51
J2: Top Overlay "2" at 48.825,93.996 h0.51; Top Overlay "1" at 48.952,91.837 h0.51; Top Overlay "40" at 92.894,93.996 h0.51; Top Overlay "39" at 92.894,91.964 h0.51
U1: Top Overlay "Raspberry Pi 4 Compute Module" at 23.016,40.559 h1.52; Top Overlay "WiFi / Keepout" at 28.223,28.494 h1.52 r90; Top Overlay "PIN 101 / PIN 102" at 58.449,10.714 h1.25; Top Overlay "PIN 1 / PIN 2" at 58.703,44.623 h1.25; Mechanical 1 "DF40HC(3.0)-100DS-0.4v" at 35.97,15.413 h1.52